# KiCad board the-nicholas-van MX.kicad_pcb
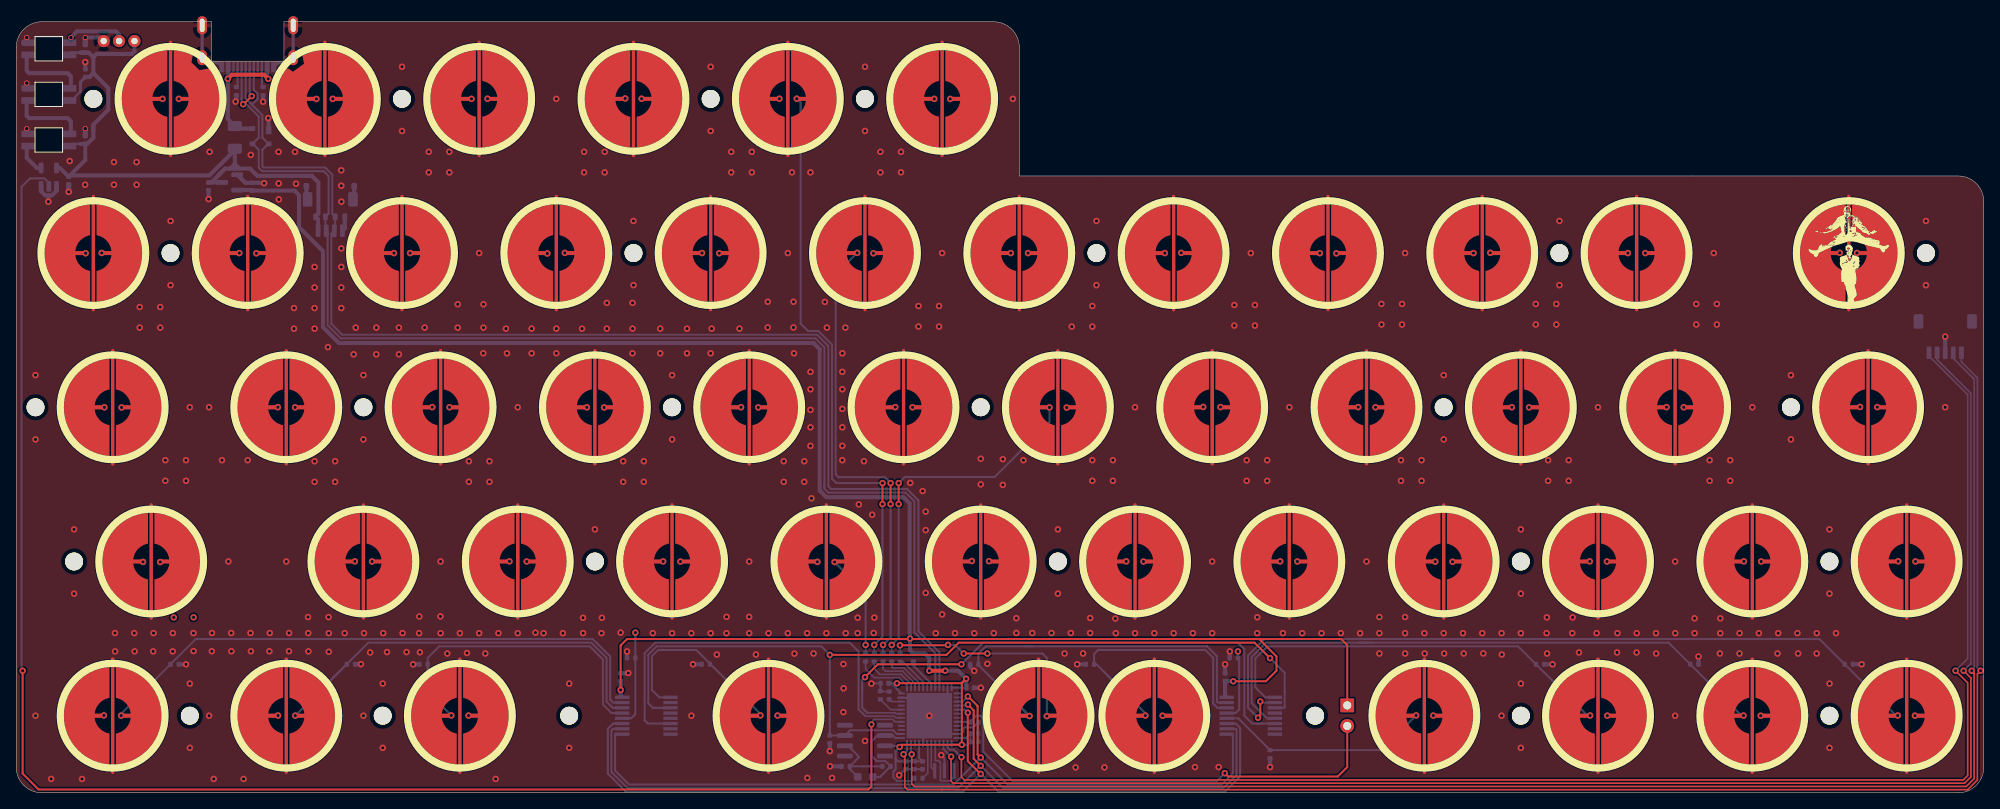
[diagram p0: board, top side]
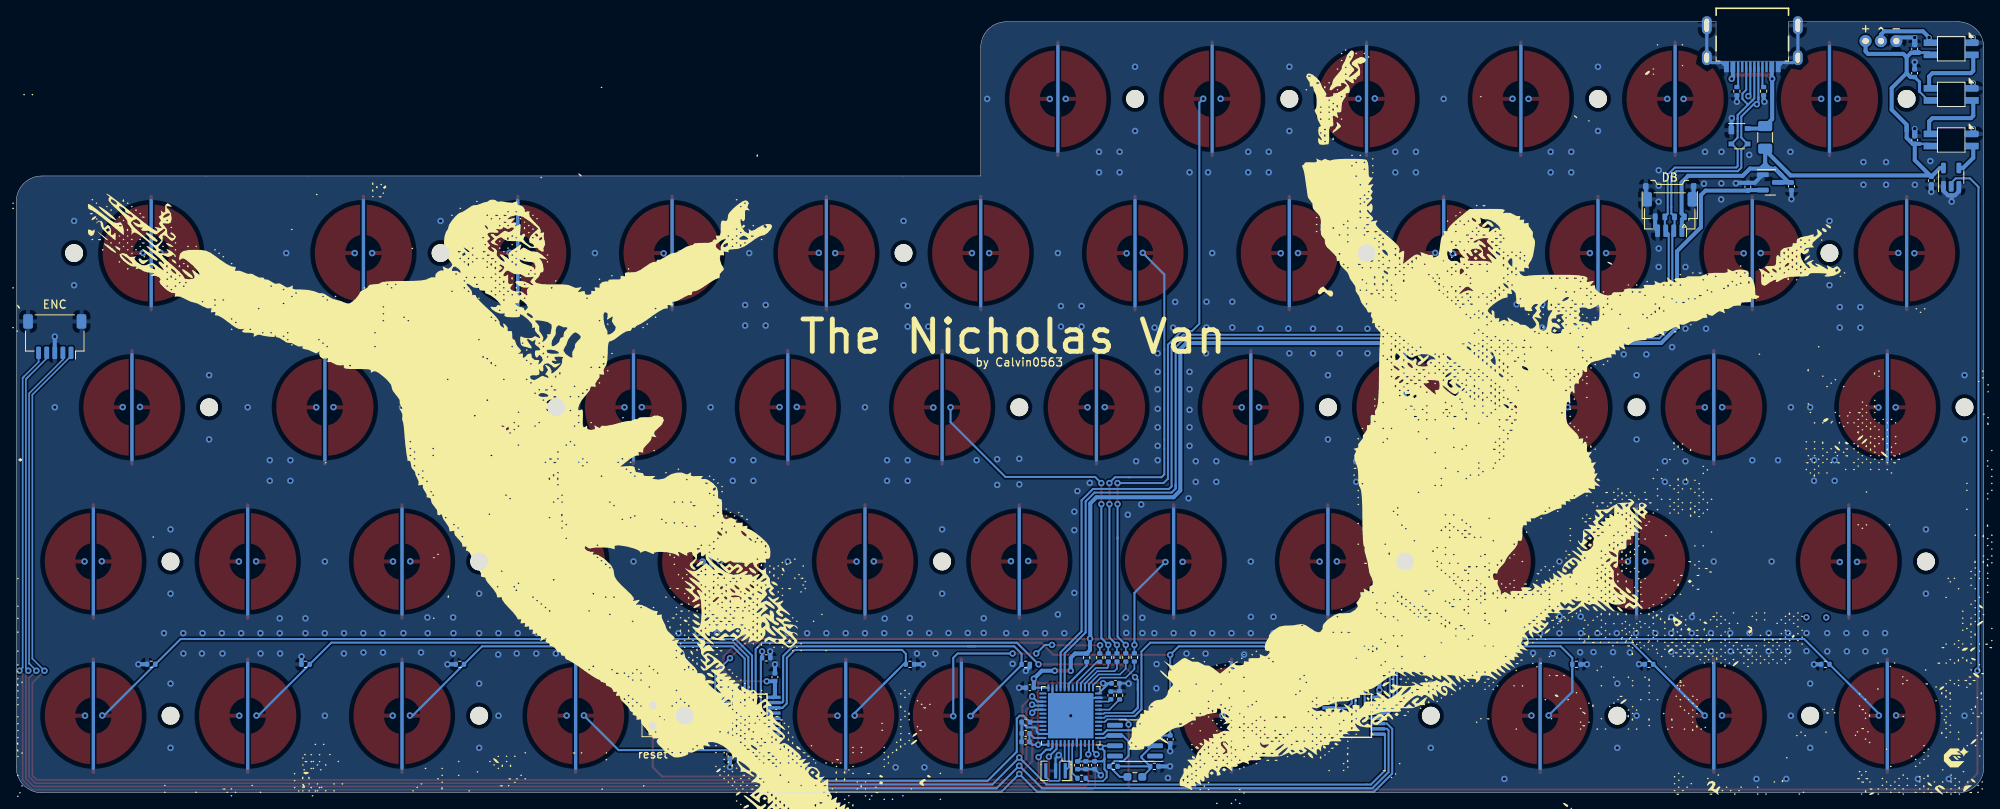
[diagram p1: board, bottom side, seen from below]

Outline 242.89 x 95.25 mm; copper layers: Top, In1.Cu, In2.Cu, Bottom. Coordinates in mm from the lower left corner of the outline.
Outline path: 0,92.08 arc(0.93,94.32) 3.18,95.25 24.11,95.25 24.11,90.39 33.05,90.39 33.05,95.25 120.65,95.25 arc(122.9,94.32) 123.83,92.08 123.83,76.2 239.71,76.2 arc(241.96,75.27) 242.89,73.03 242.89,3.18 arc(241.96,0.93) 239.71,0 3.18,0 arc(0.93,0.93) 0,3.18 0,92.08
Stack: Top 0.035mm / dielectric 0.2mm 7628 er 4.6 / In1.Cu 0.0175mm / dielectric 1.065mm FR4 er 4.5 / In2.Cu 0.0175mm / dielectric 0.2mm 7628 er 4.6 / Bottom 0.035mm

## Placement (name value [footprint] x y rotation side)
C1  4.7u  [C_0402_1005Metric]  107.76 12.03 90 bottom
C2  100n  [C_0402_1005Metric]  118.29 6.3 0 bottom
C3  100n  [C_0402_1005Metric]  107.19 13.53 180 bottom
C4  100n  [C_0402_1005Metric]  117.76 12.98 0 bottom
C5  100n  [C_0402_1005Metric]  118.28 7.34 0 bottom
C6  100n  [C_0402_1005Metric]  110.87 3.41 270 bottom
C7  1u  [C_0402_1005Metric]  111.87 3.4 270 bottom
C8  1u  [C_0402_1005Metric]  23.74 74.91 270 bottom
C9  1u  [C_0402_1005Metric]  29.13 74.87 90 bottom
C11  100n  [C_0402_1005Metric]  74.61 14.29 90 bottom
C12  220p  [C_0402_1005Metric]  100.43 6.61 90 bottom
C13  100n  [C_0402_1005Metric]  109.77 3.41 270 bottom
C14  100n  [C_0402_1005Metric]  149.23 14.29 90 bottom
C15  100n  [C_0402_1005Metric]  8.53 91.91 90 bottom
C16  100n  [C_0402_1005Metric]  8.54 88.9 90 bottom
C17  100n  [C_0402_1005Metric]  8.53 80.65 90 bottom
C18  100n  [C_0402_1005Metric]  6.48 75.63 270 bottom
D1  PRTR5V0U2X  [SOT-143]  30.16 81.11 180 bottom
F_USBC1  500mA  [Fuse_1206_3216Metric]  26.99 80.96 270 bottom
G***  -  [LOGO]  226.22 66.68 0 top
G***#2  -  [LOGO]  105.57 35.72 180 bottom
G***#3  -  [LOGO]  3.55 4.39 180 bottom
H1  MountingHole  [HOLE_M2]  9.53 85.73 0 top
H2  MountingHole  [HOLE_M2]  47.62 85.73 0 top
H3  MountingHole  [HOLE_M2]  85.72 85.73 0 top
H4  MountingHole  [HOLE_M2]  104.77 85.73 0 top
H5  MountingHole  [HOLE_M2]  19.05 66.68 0 top
H6  MountingHole  [HOLE_M2]  76.2 66.68 0 top
H7  MountingHole  [HOLE_M2]  133.35 66.68 0 top
H8  MountingHole  [HOLE_M2]  190.5 66.68 0 top
H9  MountingHole  [HOLE_M2]  235.74 66.68 0 top
H10  MountingHole  [HOLE_M2]  2.38 47.62 0 top
H11  MountingHole  [HOLE_M2]  42.86 47.62 0 top
H12  MountingHole  [HOLE_M2]  80.96 47.62 0 top
H13  MountingHole  [HOLE_M2]  119.06 47.62 0 top
H14  MountingHole  [HOLE_M2]  176.21 47.62 0 top
H15  MountingHole  [HOLE_M2]  219.08 47.62 0 top
H16  MountingHole  [HOLE_M2]  7.14 28.58 0 top
H17  MountingHole  [HOLE_M2]  71.44 28.58 0 top
H18  MountingHole  [HOLE_M2]  128.59 28.58 0 top
H19  MountingHole  [HOLE_M2]  185.74 28.58 0 top
H20  MountingHole  [HOLE_M2]  223.84 28.58 0 top
H21  MountingHole  [HOLE_M2]  21.43 9.53 0 top
H22  MountingHole  [HOLE_M2]  45.24 9.53 0 top
H23  MountingHole  [HOLE_M2]  68.26 9.53 0 top
H24  MountingHole  [HOLE_M2]  160.34 9.53 0 top
H25  MountingHole  [HOLE_M2]  185.74 9.53 0 top
H26  MountingHole  [HOLE_M2]  223.84 9.53 0 top
J1  JST SH  [JST_SH_SM04B-SRSS-TB_1x04-1MP_P1.00mm_Horizontal]  38.77 71.44 0 bottom
J2  Pico EZmate  [Molex_Pico-EZmate_78171-0004_1x04-1MP_P1.20mm_Vertical]  38.77 73.03 0 bottom
J3  USB_C sink board 1.3mm  [USB4510031A]  28.57 93.66 0 bottom
J4  Conn_01x05  [JST_SH_SM05B-SRSS-TB_1x05-1MP_P1.00mm_Horizontal]  238.12 56.36 0 bottom
J5  ARGB  [PinHeader_1x03_P1.27mm_Vertical]  11.43 92.87 270 bottom
JP1  Ext_Res  [R_0603_1608Metric_Pad0.98x0.95mm_HandSolder]  104.79 1.97 180 bottom
LED1  SK6812MINI-E  [SK6812-MINI-E]  4.03 80.65 180 bottom
LED2  SK6812MINI-E  [SK6812-MINI-E]  4.02 86.28 180 bottom
LED3  SK6812MINI-E  [SK6812-MINI-E]  4.02 91.91 180 bottom
R1  100k  [R_0402_1005Metric]  110.74 16.7 90 bottom
R2  100  [R_0402_1005Metric]  104.85 16.73 270 bottom
R3  100  [R_0402_1005Metric]  105.92 16.73 270 bottom
R4  100  [R_0402_1005Metric]  107 16.73 270 bottom
R5  100  [R_0402_1005Metric]  108.08 16.72 270 bottom
R6  100  [R_0402_1005Metric]  109.13 16.7 270 bottom
R7  100k  [R_0402_1005Metric]  107.44 3.27 0 bottom
R8  10k  [R_0402_1005Metric]  111.37 1.8 0 bottom
R9  10k  [R_0402_1005Metric]  106.68 12.05 270 bottom
R10  100k  [R_0402_1005Metric]  50.29 15.88 180 bottom
R11  10k  [R_0402_1005Metric]  118.27 8.73 0 bottom
R12  5.1k  [R_0402_1005Metric]  27.18 86.68 270 bottom
R13  5.1k  [R_0402_1005Metric]  30.48 86.68 270 bottom
R15  100k  [R_0402_1005Metric]  41.32 15.88 0 bottom
R16  100k  [R_0402_1005Metric]  19.56 15.88 0 bottom
R17  100k  [R_0402_1005Metric]  75.92 16.67 180 bottom
R18  100k  [R_0402_1005Metric]  85.12 15.89 180 bottom
R19  1k  [R_0402_1005Metric]  102.39 3.27 180 bottom
R20  100k  [R_0402_1005Metric]  150.3 16.67 180 bottom
R21  100k  [R_0402_1005Metric]  132.56 15.88 180 bottom
R22  100k  [R_0402_1005Metric]  118.27 15.88 180 bottom
R23  100k  [R_0402_1005Metric]  154.78 4.76 270 bottom
R24  100k  [R_0402_1005Metric]  188.12 15.88 0 bottom
R25  100k  [R_0402_1005Metric]  207.17 15.88 0 bottom
R26  100k  [R_0402_1005Metric]  226.22 15.89 0 bottom
SW1  BOOT0  [PinHeader_1x02_P2.54mm_Vertical]  164.31 10.8 180 bottom
SW_EC1  Topre  [ecs_pad_1U_no_ring]  19.05 85.73 180 top
SW_EC2  Topre  [ecs_pad_1U_no_ring]  38.1 85.73 180 top
SW_EC3  Topre  [ecs_pad_1U_no_ring]  57.15 85.73 180 top
SW_EC4  Topre  [ecs_pad_1U_no_ring]  76.2 85.73 180 top
SW_EC5  Topre  [ecs_pad_1U_no_ring]  95.25 85.73 180 top
SW_EC6  Topre  [ecs_pad_1U_no_ring]  114.3 85.73 180 top
SW_EC7  Topre  [ecs_pad_1U_no_ring]  9.53 66.68 0 top
SW_EC8  Topre  [ecs_pad_1U_no_ring]  28.57 66.68 0 top
SW_EC9  Topre  [ecs_pad_1U_no_ring]  47.62 66.68 0 top
SW_EC10  Topre  [ecs_pad_1U_no_ring]  66.67 66.68 0 top
SW_EC11  Topre  [ecs_pad_1U_no_ring]  85.72 66.68 0 top
SW_EC12  Topre  [ecs_pad_1U_no_ring]  104.77 66.68 0 top
SW_EC13  Topre  [ecs_pad_1U_no_ring]  123.83 66.68 0 top
SW_EC14  Topre  [ecs_pad_1U_no_ring]  142.88 66.68 0 top
SW_EC15  Topre  [ecs_pad_1U_no_ring]  161.93 66.68 0 top
SW_EC16  Topre  [ecs_pad_1U_no_ring]  180.98 66.68 0 top
SW_EC17  Topre  [ecs_pad_1U_no_ring]  200.03 66.68 0 top
SW_EC18  Topre  [ecs_pad_1U_no_ring]  226.22 66.68 0 top
SW_EC19  Topre  [ecs_pad_1U_no_ring]  11.91 47.62 0 top
SW_EC20  Topre  [ecs_pad_1U_no_ring]  33.34 47.62 0 top
SW_EC21  Topre  [ecs_pad_1U_no_ring]  52.39 47.62 0 top
SW_EC22  Topre  [ecs_pad_1U_no_ring]  71.44 47.62 0 top
SW_EC23  Topre  [ecs_pad_1U_no_ring]  90.49 47.62 0 top
SW_EC24  Topre  [ecs_pad_1U_no_ring]  109.54 47.62 0 top
SW_EC25  Topre  [ecs_pad_1U_no_ring]  128.59 47.62 0 top
SW_EC26  Topre  [ecs_pad_1U_no_ring]  147.64 47.62 0 top
SW_EC27  Topre  [ecs_pad_1U_no_ring]  166.69 47.62 0 top
SW_EC28  Topre  [ecs_pad_1U_no_ring]  185.74 47.62 0 top
SW_EC29  Topre  [ecs_pad_1U_no_ring]  204.79 47.62 0 top
SW_EC30  Topre  [ecs_pad_1U_no_ring]  228.6 47.62 0 top
SW_EC31  Topre  [ecs_pad_1U_no_ring]  16.67 28.58 0 top
SW_EC32  Topre  [ecs_pad_1U_no_ring]  42.86 28.58 180 top
SW_EC33  Topre  [ecs_pad_1U_no_ring]  61.91 28.58 180 top
SW_EC34  Topre  [ecs_pad_1U_no_ring]  80.96 28.58 180 top
SW_EC35  Topre  [ecs_pad_1U_no_ring]  100.01 28.58 180 top
SW_EC36  Topre  [ecs_pad_1U_no_ring]  119.06 28.58 0 top
SW_EC37  Topre  [ecs_pad_1U_no_ring]  138.11 28.58 180 top
SW_EC38  Topre  [ecs_pad_1U_no_ring]  157.16 28.58 180 top
SW_EC39  Topre  [ecs_pad_1U_no_ring]  176.21 28.58 180 top
SW_EC40  Topre  [ecs_pad_1U_no_ring]  195.26 28.58 180 top
SW_EC41  Topre  [ecs_pad_1U_no_ring]  214.31 28.58 180 top
SW_EC42  Topre  [ecs_pad_1U_no_ring]  233.36 28.58 0 top
SW_EC43  Topre  [ecs_pad_1U_no_ring]  11.91 9.53 0 top
SW_EC44  Topre  [ecs_pad_1U_no_ring]  33.34 9.53 0 top
SW_EC45  Topre  [ecs_pad_1U_no_ring]  54.77 9.53 180 top
SW_EC46  Topre  [ecs_pad_1U_no_ring]  92.87 9.53 180 top
SW_EC47  Topre  [ecs_pad_1U_no_ring]  126.21 9.53 180 top
SW_EC48  Topre  [ecs_pad_1U_no_ring]  140.49 9.53 180 top
SW_EC49  Topre  [ecs_pad_1U_no_ring]  173.83 9.53 180 top
SW_EC50  Topre  [ecs_pad_1U_no_ring]  195.26 9.53 180 top
SW_EC51  Topre  [ecs_pad_1U_no_ring]  214.31 9.53 180 top
SW_EC54  Topre  [ecs_pad_1U_no_ring]  233.36 9.53 180 top
U1  STM32F401CBUx  [QFN-48-1EP_7x7mm_P0.5mm_EP5.6x5.6mm]  112.71 9.53 90 bottom
U2  XC6206PxxxMR  [SOT-23]  26.34 75.41 180 bottom
U3  74AHCT1G125  [SOT-23-5]  4.03 76.05 90 bottom
U4  74HC4051  [TSSOP16]  77.79 9.53 270 bottom
U5  OPA350  [SOIC-8_3.9x4.9mm_P1.27mm]  104.77 6.44 0 bottom
U6  74HC4051  [TSSOP16]  152.4 9.53 270 bottom
Y1  8 MHz  [Resonator_SMD_Murata_CSTxExxV-3Pin_3.0x1.1mm]  114.58 2.71 0 bottom

## Library data of the parts
C1-C9 C11-C18 = -: Description: Unpolarized capacitor, small symbol
D1 = -: Description: Ultra low capacitance double rail-to-rail ESD protection diode, SOT-143
F_USBC1 = -: Description: Resettable fuse, polymeric positive temperature coefficient, small symbol
H1-H26 = -: Description: Mounting Hole without connection
J1 J2 = -: Description: Generic connectable mounting pin connector, single row, 01x04, script generated (kicad-library-utils/schlib/autogen/connector/)
J3 = -: Description: USB 2.0-only Type-C Receptacle connector; JlcPosOffset: 0,1.35; JlcRotOffset: 180; LCSC: C3019717
J4 = -: Description: Generic connectable mounting pin connector, single row, 01x05, script generated (kicad-library-utils/schlib/autogen/connector/)
J5 = -: Description: Generic connector, single row, 01x03, script generated (kicad-library-utils/schlib/autogen/connector/)
JP1 SW1 = -: Description: Jumper, 2-pole, open
R1 = -: Description: Resistor; LCSC: C25741
R2-R6 = -: Description: Resistor; LCSC: C25076
R7 R8 R10-R13 R15-R26 = -: Description: Resistor, small symbol
R9 = -: Description: Resistor; LCSC: C25744
U1 = -: Description: ARM Cortex-M4 MCU, 128KB flash, 64KB RAM, 84MHz, 1.7-3.6V, 36 GPIO, UFQFPN-48; LCSC: C118825
U2 = -: Description: Positive 60-250mA Low Dropout Regulator, Fixed Output, SOT-23
U3 = -: Description: Single Buffer Gate Tri-State, Low-Voltage CMOS
U4 U6 = -: Description: 8-channel analog multiplexer/demultiplexer, DIP-16/SOIC-16/TSSOP-16
Y1 = -: Description: Three pin ceramic resonator, small symbol; LCSC: C907975

## Footprints (pads in the part's own frame, mm; a bottom-side part is the same pattern mirrored in y, then rotated)
C_0402_1005Metric
  rrect 0.56x0.62 smd: 1(-0.48,0) 2(0.48,0)
ecs_pad_1U_no_ring
  custom 5.595x11.973 smd: 1(-1,0) 2(1,0)
  custom 0.4x14.4 smd: 3(0,0)
  custom 0.4x13.4 smd far side: 3(0,0)
Fuse_1206_3216Metric
  rrect 1.25x1.75 smd: 1(-1.4,0) 2(1.4,0)
HOLE_M2
  round 2.2 hole 2.2 unplated: (0,0)
JST_SH_SM04B-SRSS-TB_1x04-1MP_P1.00mm_Horizontal
  rrect 0.6x1.55 smd: 1(-1.5,2) 2(-0.5,2) 3(0.5,2) 4(1.5,2)
  rrect 1.2x1.8 smd: MP(-2.8,-1.875) MP(2.8,-1.875)
JST_SH_SM05B-SRSS-TB_1x05-1MP_P1.00mm_Horizontal
  rrect 0.6x1.55 smd: 1(-2,2) 2(-1,2) 3(0,2) 4(1,2) 5(2,2)
  rrect 1.2x1.8 smd: MP(-3.3,-1.875) MP(3.3,-1.875)
Molex_Pico-EZmate_78171-0004_1x04-1MP_P1.20mm_Vertical
  rrect 0.6x0.85 smd: 1(-1.8,1.875) 2(-0.6,1.875) 3(0.6,1.875) 4(1.8,1.875)
  rrect 0.7x0.8 smd: MP(-2.95,-1.9) MP(2.95,-1.9)
PinHeader_1x02_P2.54mm_Vertical
  rect 1.7x1.7 hole 1: 1(0,0)
  oval 1.7x1.7 hole 1: 2(0,-2.54)
PinHeader_1x03_P1.27mm_Vertical
  round 1.5 hole 0.8: 1(0,0.63) 2(0,-1.27) 3(0,-3.17)
QFN-48-1EP_7x7mm_P0.5mm_EP5.6x5.6mm
  rrect 1.13x1.13 smd: (-2.1,-2.1) (-2.1,-0.7) (-2.1,0.7) (-2.1,2.1) (-0.7,-2.1) (-0.7,-0.7) (-0.7,0.7) (-0.7,2.1) (0.7,-2.1) (0.7,-0.7) (0.7,0.7) (0.7,2.1) (2.1,-2.1) (2.1,-0.7) (2.1,0.7) (2.1,2.1)
  rrect 0.875x0.25 smd: 1(-3.438,2.75) 2(-3.438,2.25) 3(-3.438,1.75) 4(-3.438,1.25) 5(-3.438,0.75) 6(-3.438,0.25) 7(-3.438,-0.25) 8(-3.438,-0.75) 9(-3.438,-1.25) 10(-3.438,-1.75) 11(-3.438,-2.25) 12(-3.438,-2.75) 25(3.438,-2.75) 26(3.438,-2.25) 27(3.438,-1.75) 28(3.438,-1.25) 29(3.438,-0.75) 30(3.438,-0.25) 31(3.438,0.25) 32(3.438,0.75) 33(3.438,1.25) 34(3.438,1.75) 35(3.438,2.25) 36(3.438,2.75)
  rrect 0.25x0.875 smd: 13(-2.75,-3.438) 14(-2.25,-3.438) 15(-1.75,-3.438) 16(-1.25,-3.438) 17(-0.75,-3.438) 18(-0.25,-3.438) 19(0.25,-3.438) 20(0.75,-3.438) 21(1.25,-3.438) 22(1.75,-3.438) 23(2.25,-3.438) 24(2.75,-3.438) 37(2.75,3.438) 38(2.25,3.438) 39(1.75,3.438) 40(1.25,3.438) 41(0.75,3.438) 42(0.25,3.438) 43(-0.25,3.438) 44(-0.75,3.438) 45(-1.25,3.438) 46(-1.75,3.438) 47(-2.25,3.438) 48(-2.75,3.438)
  rect 5.6x5.6 smd: 49(0,0)
R_0402_1005Metric
  rrect 0.54x0.64 smd: 1(-0.51,0) 2(0.51,0)
R_0603_1608Metric_Pad0.98x0.95mm_HandSolder
  rrect 0.975x0.95 smd: 1(-0.912,0) 2(0.912,0)
Resonator_SMD_Murata_CSTxExxV-3Pin_3.0x1.1mm
  rect 0.4x1.9 smd: 1(-1.2,0) 2(0,0) 3(1.2,0)
SK6812-MINI-E
  rect 1.7x0.82 smd: 1(-2.55,-0.75) 2(-2.55,0.75) 4(2.55,-0.75)
  rrect 1.7x0.82 smd: 3(2.55,0.75)
SOIC-8_3.9x4.9mm_P1.27mm
  rrect 1.95x0.6 smd: 1(-2.475,1.905) 2(-2.475,0.635) 3(-2.475,-0.635) 4(-2.475,-1.905) 5(2.475,-1.905) 6(2.475,-0.635) 7(2.475,0.635) 8(2.475,1.905)
SOT-23
  rrect 1.475x0.6 smd: 1(-0.938,0.95) 2(-0.938,-0.95) 3(0.938,0)
SOT-23-5
  rrect 1.325x0.6 smd: 1(-1.137,0.95) 2(-1.137,0) 3(-1.137,-0.95) 4(1.137,-0.95) 5(1.137,0.95)
SOT-143
  rect 0.7x1 smd: 1(-1,0.75)
  rect 0.7x0.6 smd: 2(-1,-0.95) 3(1,-0.95) 4(1,0.95)
TSSOP16
  rect 0.419x1.778 smd: 1(-2.273,-2.974) 2(-1.623,-2.974) 3(-0.973,-2.974) 4(-0.323,-2.974) 5(0.323,-2.974) 6(0.973,-2.974) 7(1.623,-2.974) 8(2.273,-2.974) 9(2.273,2.974) 10(1.623,2.974) 11(0.973,2.974) 12(0.323,2.974) 13(-0.323,2.974) 14(-0.973,2.974) 15(-1.623,2.974) 16(-2.273,2.974)
USB4510031A
  rect 0.6x1.3 smd: A1(-3.2,4) A4(-2.4,4) A9(2.4,4) A12(3.2,4)
  rect 0.3x1.3 smd: A5(-1.25,4) A6(-0.25,4) A7(0.25,4) A8(1.25,4) B5(1.75,4) B6(0.75,4) B7(-0.75,4) B8(-1.75,4)
  oval 1.2x2.25 hole 0.6x1.65: S1(-5.62,-1.15) S1(5.62,-1.15)
  oval 1.2x1.85 hole 0.6x1.25: S1(-5.62,2.85) S1(5.62,2.85)

## Nets
+5V: C8.1 C15.1 C16.1 C17.1 C18.1 F_USBC1.2 J1.1 J2.1 J5.3 LED1.1 LED2.1 LED3.1 U2.3 U3.5
GND: C1.2 C2.2 C3.2 C4.2 C5.2 C6.2 C7.2 C8.2 C9.2 C11.2 C12.1 C13.2 C14.2 C15.2 C16.2 C17.2 C18.2 D1.1 J1.4 J1.MP J2.4 J2.MP J3.A1 J3.A12 J3.S1 J4.3 J4.MP J5.1 LED1.3 LED2.3 LED3.3 R9.1 R10.2 R11.2 R12.2 R13.2 R15.2 R16.2 R17.2 R18.2 R19.2 R20.2 R21.2 R22.2 R23.2 R24.2 R25.2 R26.2 SW_EC1.3 SW_EC2.3 SW_EC3.3 SW_EC4.3 SW_EC5.3 SW_EC6.3 SW_EC7.3 SW_EC8.3 SW_EC9.3 SW_EC10.3 SW_EC11.3 SW_EC12.3 SW_EC13.3 SW_EC14.3 SW_EC15.3 SW_EC16.3 SW_EC17.3 SW_EC18.3 SW_EC19.3 SW_EC20.3 SW_EC21.3 SW_EC22.3 SW_EC23.3 SW_EC24.3 SW_EC25.3 SW_EC26.3 SW_EC27.3 SW_EC28.3 SW_EC29.3 SW_EC30.3 SW_EC31.3 SW_EC32.3 SW_EC33.3 SW_EC34.3 SW_EC35.3 SW_EC36.3 SW_EC37.3 SW_EC38.3 SW_EC39.3 SW_EC40.3 SW_EC41.3 SW_EC42.3 SW_EC43.3 SW_EC44.3 SW_EC45.3 SW_EC46.3 SW_EC47.3 SW_EC48.3 SW_EC49.3 SW_EC50.3 SW_EC51.3 SW_EC54.3 U1.8 U1.23 U1.35 U1.47 U1.49 U2.1 U3.1 U3.3 U4.2 U4.4 U4.5 U4.7 U4.8 U5.4 U6.4 U6.7 U6.8 Y1.2
VBAT: C2.1 C3.1 C4.1 C5.1 C6.1 C7.1 C9.1 C11.1 C13.1 C14.1 R1.2 R8.1 SW1.1 U1.1 U1.9 U1.24 U1.36 U1.48 U2.2 U4.16 U5.7 U6.16
VCC: D1.4 F_USBC1.1 J3.A4 J3.A9
ADC: JP1.1 R7.2 U1.13 U5.6
AMUX_SEL_0: U1.41 U4.11 U6.11
AMUX_SEL_1: U1.40 U4.10 U6.10
AMUX_SEL_2: U1.39 U4.9 U6.9
APLEX_EN_PIN_0: U1.18 U4.6
APLEX_EN_PIN_1: U1.19 U6.6
APLEX_OUT_PIN_0: C12.2 U1.14 U4.3 U5.3 U6.3
ARGB: J5.2 LED3.2
ARGB_3V3: U1.17 U3.2
ARGB_5V: LED1.4 U3.4
BOOT0: R11.1 SW1.2 U1.44
BOOT1: R9.2 U1.20
COL0: R16.1 SW_EC1.2 SW_EC7.2 SW_EC19.2 SW_EC31.2 SW_EC43.2 U4.15
COL1: R15.1 SW_EC2.2 SW_EC8.2 SW_EC20.2 SW_EC32.2 SW_EC44.2 U4.14
COL2: R10.1 SW_EC3.2 SW_EC9.2 SW_EC21.2 SW_EC33.2 SW_EC45.2 U4.13
COL3: R17.1 SW_EC4.2 SW_EC10.2 SW_EC22.2 SW_EC34.2 U4.12
COL4: R18.1 SW_EC5.2 SW_EC11.2 SW_EC23.2 SW_EC35.2 SW_EC46.2 U4.1
COL5: R22.1 SW_EC6.2 SW_EC12.2 SW_EC24.2 SW_EC36.2 SW_EC47.2 U6.15
COL6: R21.1 SW_EC13.2 SW_EC25.2 SW_EC37.2 SW_EC48.2 U6.14
COL7: R20.1 SW_EC14.2 SW_EC26.2 SW_EC38.2 U6.13
COL8: R23.1 SW_EC15.2 SW_EC27.2 SW_EC39.2 SW_EC49.2 U6.12
COL9: R24.1 SW_EC16.2 SW_EC28.2 SW_EC40.2 SW_EC50.2 U6.1
COL10: R25.1 SW_EC17.2 SW_EC29.2 SW_EC41.2 SW_EC51.2 U6.5
COL11: R26.1 SW_EC18.2 SW_EC30.2 SW_EC42.2 SW_EC54.2 U6.2
D+: D1.2 J1.3 J2.3 J3.A6 J3.B6 U1.33
D-: D1.3 J1.2 J2.2 J3.A7 J3.B7 U1.32
ENC1: J4.2 U1.3
ENC2: J4.4 U1.11
NRST: R8.2 U1.7
ROW0: R3.1 SW_EC1.1 SW_EC2.1 SW_EC3.1 SW_EC4.1 SW_EC5.1 SW_EC6.1
ROW1: R4.1 SW_EC7.1 SW_EC8.1 SW_EC9.1 SW_EC10.1 SW_EC11.1 SW_EC12.1 SW_EC13.1 SW_EC14.1 SW_EC15.1 SW_EC16.1 SW_EC17.1 SW_EC18.1
ROW2: R5.1 SW_EC19.1 SW_EC20.1 SW_EC21.1 SW_EC22.1 SW_EC23.1 SW_EC24.1 SW_EC25.1 SW_EC26.1 SW_EC27.1 SW_EC28.1 SW_EC29.1 SW_EC30.1
ROW3: R2.1 SW_EC31.1 SW_EC32.1 SW_EC33.1 SW_EC34.1 SW_EC35.1 SW_EC36.1 SW_EC37.1 SW_EC38.1 SW_EC39.1 SW_EC40.1 SW_EC41.1 SW_EC42.1
ROW4: R6.1 SW_EC43.1 SW_EC44.1 SW_EC45.1 SW_EC46.1 SW_EC47.1 SW_EC48.1 SW_EC49.1 SW_EC50.1 SW_EC51.1 SW_EC54.1
SW1: J4.1 U1.2
SW2: J4.5 U1.12
SWCLK: U1.37
SWDIO: U1.34
XTAL0: U1.5 Y1.3
XTAL1: U1.6 Y1.1
Net-(J3-CC1): J3.A5 R12.1
Net-(J3-CC2): J3.B5 R13.1
Net-(JP1-B): JP1.2 R7.1 R19.1 U5.2
Net-(LED1-DOUT): LED1.2 LED2.4
Net-(LED2-DOUT): LED2.2 LED3.4
Net-(U1-PA8): R6.2 U1.29
Net-(U1-PA10): R1.1 U1.31
Net-(U1-PB12): R2.2 U1.25
Net-(U1-PB13): R3.2 U1.26
Net-(U1-PB14): R4.2 U1.27
Net-(U1-PB15): R5.2 U1.28
Net-(U1-VCAP1): C1.1 U1.22

Pads without a net: J3 A8 B8; U1 4 10 15 16 21 30 38 42 43 45 46; U5 1 5 8

## Via types
v1: diameter 0.8, hole 0.4, Top to Bottom, 605 vias
v2: diameter 0.62, hole 0.4, Top to Bottom, 10 vias
v3: diameter 0.6, hole 0.4, Top to Bottom, 2 vias

## Routing (per net, layer and track width the routed paths; a pad name or vN(x,y) marks a point on that pad's centre or on a via; arc(x,y) is an arc through that point)
+5V: length 90.7
  Bottom w0.25: LED2.1 6.84,85.53 7.94,86.63
  Bottom w0.28: 6.75,91.43 7.99,91.43 6.75,91.43 ; 6.75,91.43 6.75,91.16 6.75,91.43 ; 6.75,79.9 6.75,80.17 6.75,79.9 ; 6.75,79.9 7.02,80.17 7.99,80.17
  Bottom w0.381: C16.1 7.94,87.82 7.94,86.63 ; F_USBC1.2 26.99,79.4
  Bottom w0.5: 9.53,81.76 9.53,82.34 ; 9.53,81.76 9.53,82.54 11.38,84.39 11.38,87.05 9.53,88.9 9.04,88.42 C16.1 ; 9.53,81.76 9.53,80.92 8.78,80.17 C17.1 ; 24.9,76.22 25.21,76.53 ; 25.21,76.53 25.78,77.11 ; 25.21,76.53 24.07,75.39 C8.1 25.39,75.39 U2.3 ; C18.1 8.53,78.16 C17.1 ; C18.1 6.63,76.26 23.85,76.26 26.99,79.4 ; C18.1 5.4,77.19 U3.5 ; 26.92,77.11 26.99,77.17 26.99,77.79 ; 26.92,77.11 26.29,77.11 ; 26.92,77.11 27.56,77.11 ; C17.1 7.87,80.17 ; 25.78,77.11 24.88,76.21 ; 25.78,77.11 26.29,77.11 ; J1.1 37.27,70.85 J2.1 36.97,71.22 37.31,71.56 37.31,75.41 36.51,76.2 36.51,76.22 29.76,76.22 28.87,77.11 27.56,77.11 ; 9.53,88.94 9.53,90.87 ; 9.53,90.87 9.94,91.28 14.29,91.28 14.6,91.59 J5.3 ; 9.53,90.87 8.96,91.43 C15.1 ; 26.99,77.79 F_USBC1.2 ; 26.99,77.79 26.99,77.68 ; 27.56,77.11 26.99,77.68 ; 26.29,77.11 26.42,77.11 26.99,77.68
  Bottom w0.56: C15.1 7.99,91.43 C15.1
GND: length 94.2
  Bottom w0.2: R9.1 106.72,12.51 C1.2
  Bottom w0.25: C2.2 118.78,6.3 R11.2 118.13,8.09 117.06,8.09 116.91,7.94 116.91,7.55 116.64,7.28 U1.47 114.96,7.28 v1(112.71,9.53) ; R9.1 106.68,13.49 C3.2 105.6,13.53 v1(105.57,13.49) ; Y1.2 114.58,4.26 v1(114.19,4.65) ; v1(112.71,9.53) 111.96,8.78 U1.8 ; v1(112.71,9.53) 110.51,11.72 108.84,11.72 ; v1(112.71,9.53) 114.96,11.78 U1.35 ; v1(109,2.17) 109.75,2.93 C13.2 111.86,2.93 C7.2
  Bottom w0.381: J3.A1 25.38,89.72 24.9,90.2 23.57,90.2 J3.S1 J3.S1 ; J3.A12 32.31,90.2 33.58,90.2 J3.S1 J3.S1
  Bottom w0.5: R22.2 117.76,15.56 v1(118.26,15.06) ; R24.2 v1(189.65,15.88) ; v1(30.61,75.3) 30.56,75.35 C9.2 28.28,75.35 U2.1 ; 49.78,15.88 49.01,15.88 v1(49,15.86) ; v1(27.08,85.38) 27.18,85.48 27.18,86.17 ; C14.2 v1(149.23,15.88) ; 6.48,74.23 v1(6.48,74.23) ; v1(31.11,83.34) 31.16,83.3 D1.1 ; v1(227.81,15.88) 227.8,15.89 R26.2 ; v1(75.56,14.8) 75.53,14.77 C11.2 ; J5.1 10.36,93.31 v2(8.53,93.31) ; 30.48,86.17 v1(30.48,85.37) ; J4.3 v1(238.12,56.36) ; R21.2 v1(130.97,15.88) ; C4.2 v1(119.08,12.98) ; v1(100.44,5.15) 100.43,5.16 C12.1 ; R25.2 207.68,16.83 v1(207.67,16.84) ; C16.2 8.54,90.25 v1(8.53,90.26) ; J2.MP 35.82,73.46 J1.MP ; J2.MP 41.72,73.46 J1.MP ; 3.97,73.8 4.42,73.8 4.97,74.35 U3.1 ; 3.97,73.8 3.57,73.8 3.07,74.3 U3.3 ; 3.97,73.8 v1(3.97,73.03) ; v1(100.46,3.27) 100.46,3.27 R19.2 ; R16.2 20.95,15.88 v1(20.96,15.86) ; J1.4 40.57,69.74 J2.4 ; C8.2 23.74,73.35 v1(23.75,73.34) ; v1(42.55,15.89) 42.54,15.88 R15.2 ; v1(149.81,17.46) 149.79,17.44 R20.2 ; R17.2 v1(75.41,17.46) ; R18.2 83.55,15.89 ; R23.2 v1(154.78,3.18)
  Bottom w0.6: 1.3,92.66 v2(1.3,93.31) 1.3,92.66 ; 1.3,81.4 v2(1.3,82.05) 1.3,81.4 ; 1.3,87.03 v2(1.3,87.68) 1.3,87.03